# Altium PCB BLDC_DRIVER.PcbDoc (part 1 of 3) (continued)
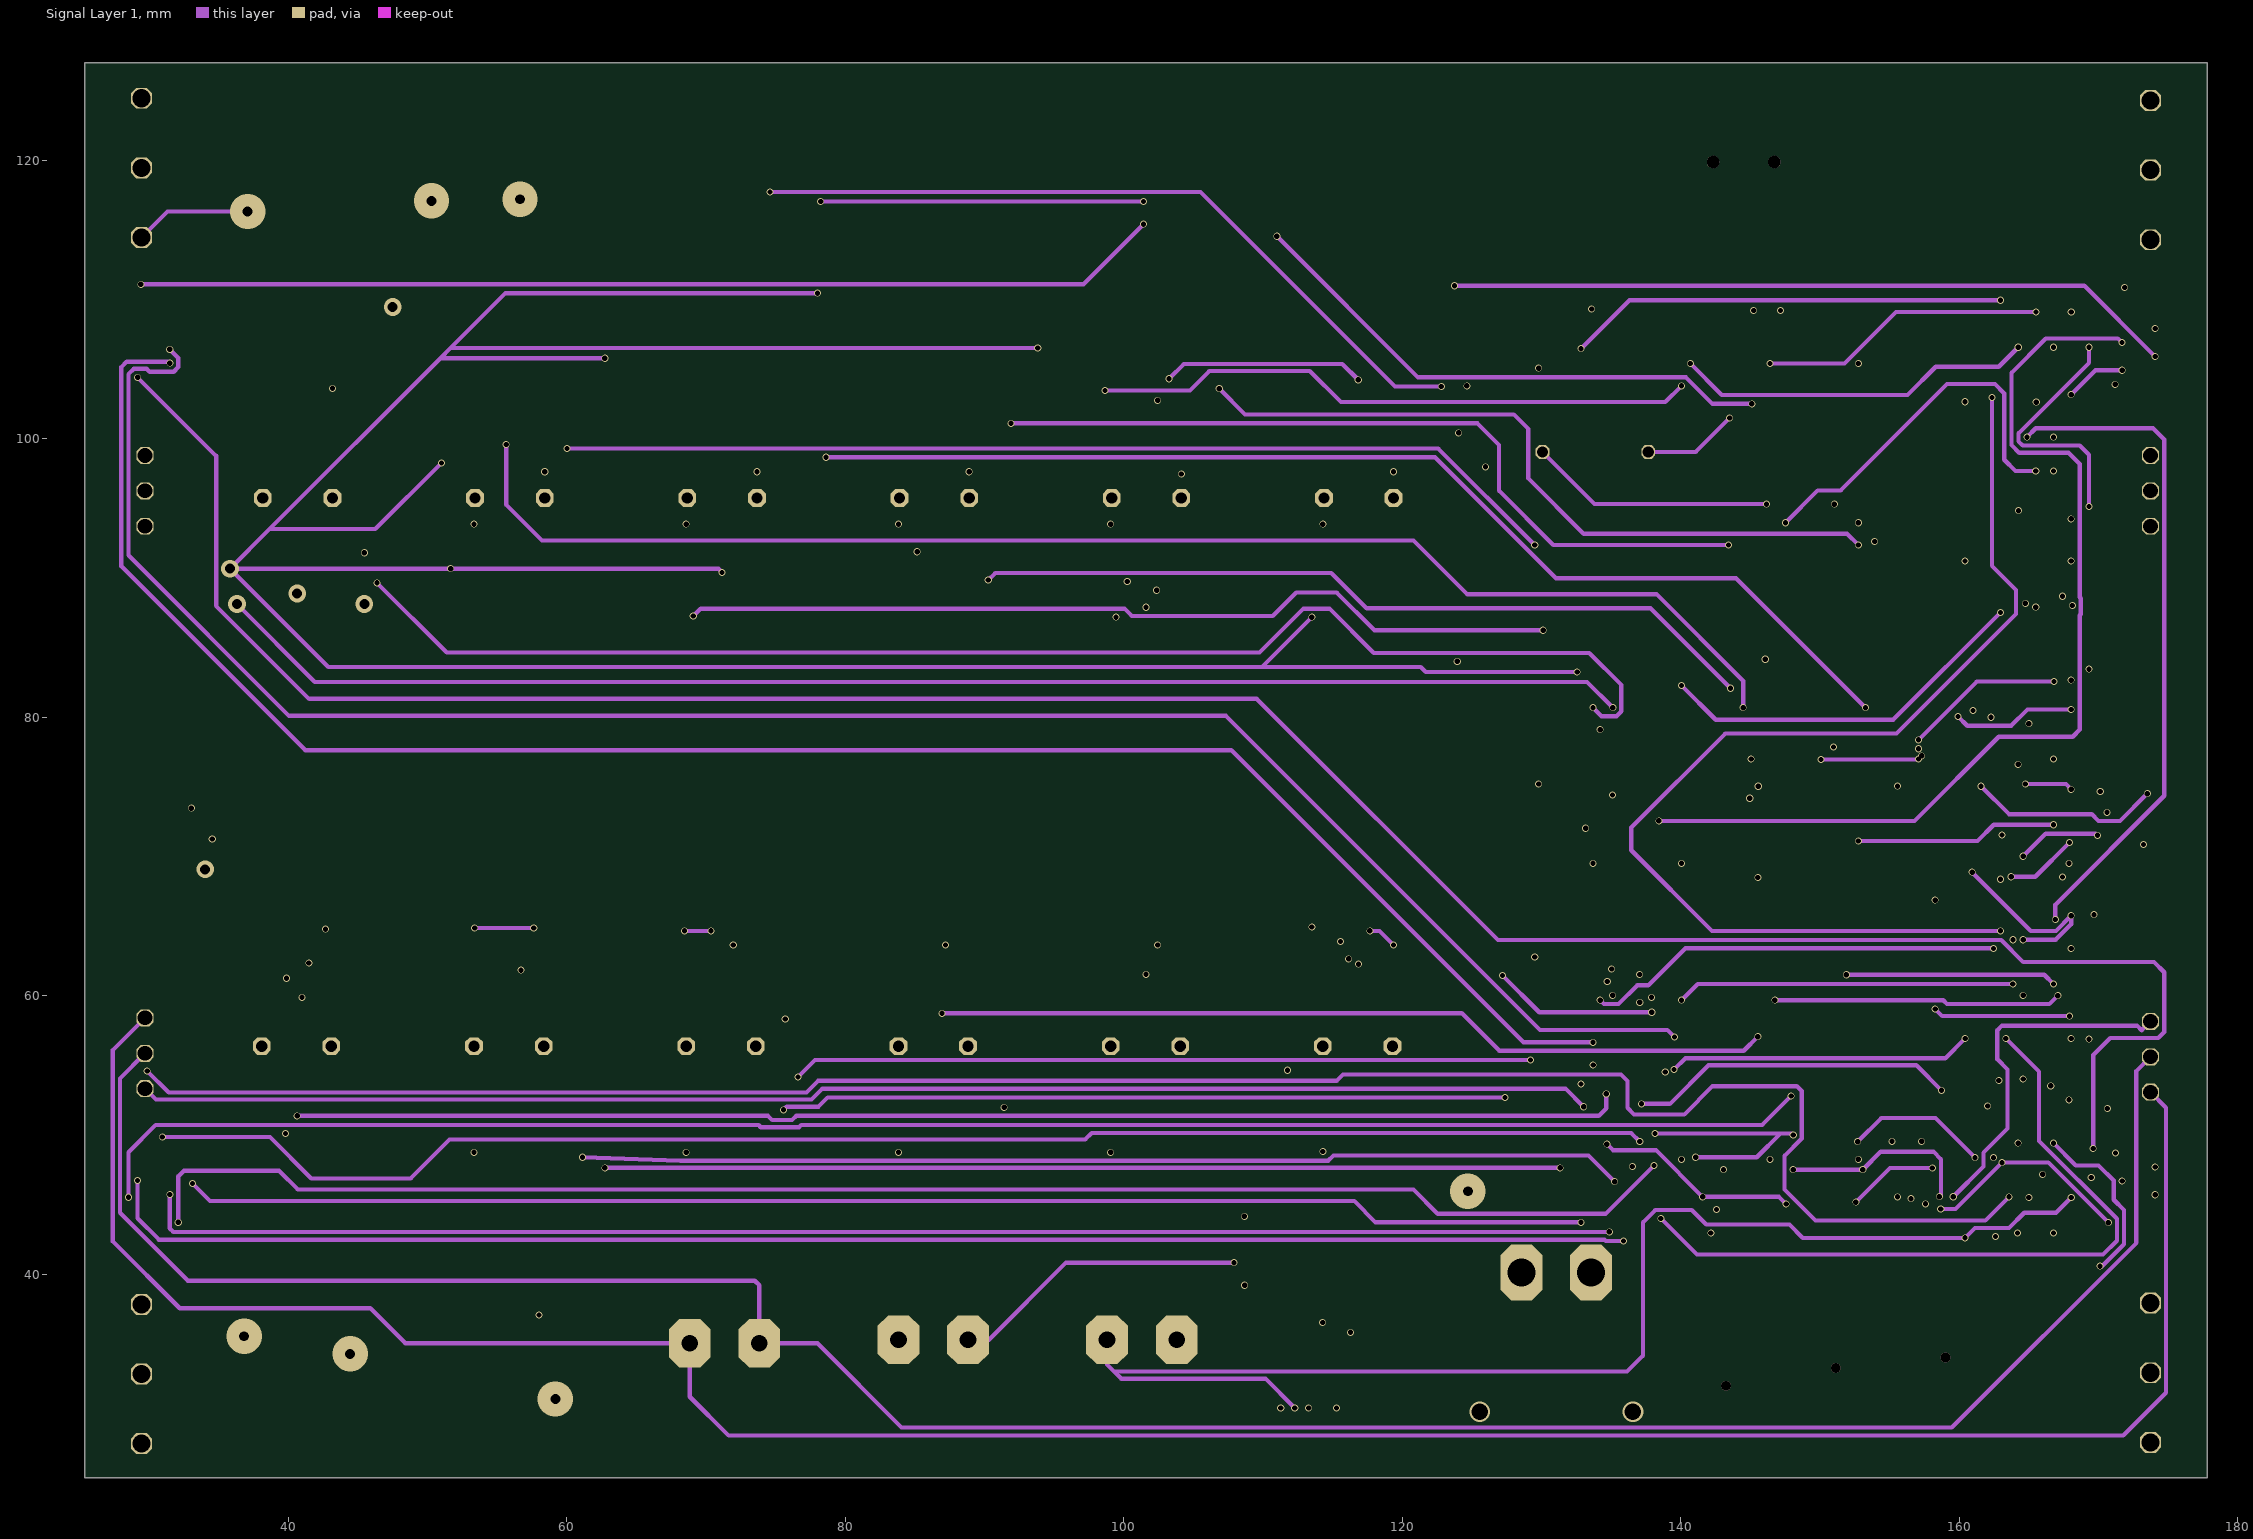
[diagram p3: Signal Layer 1]
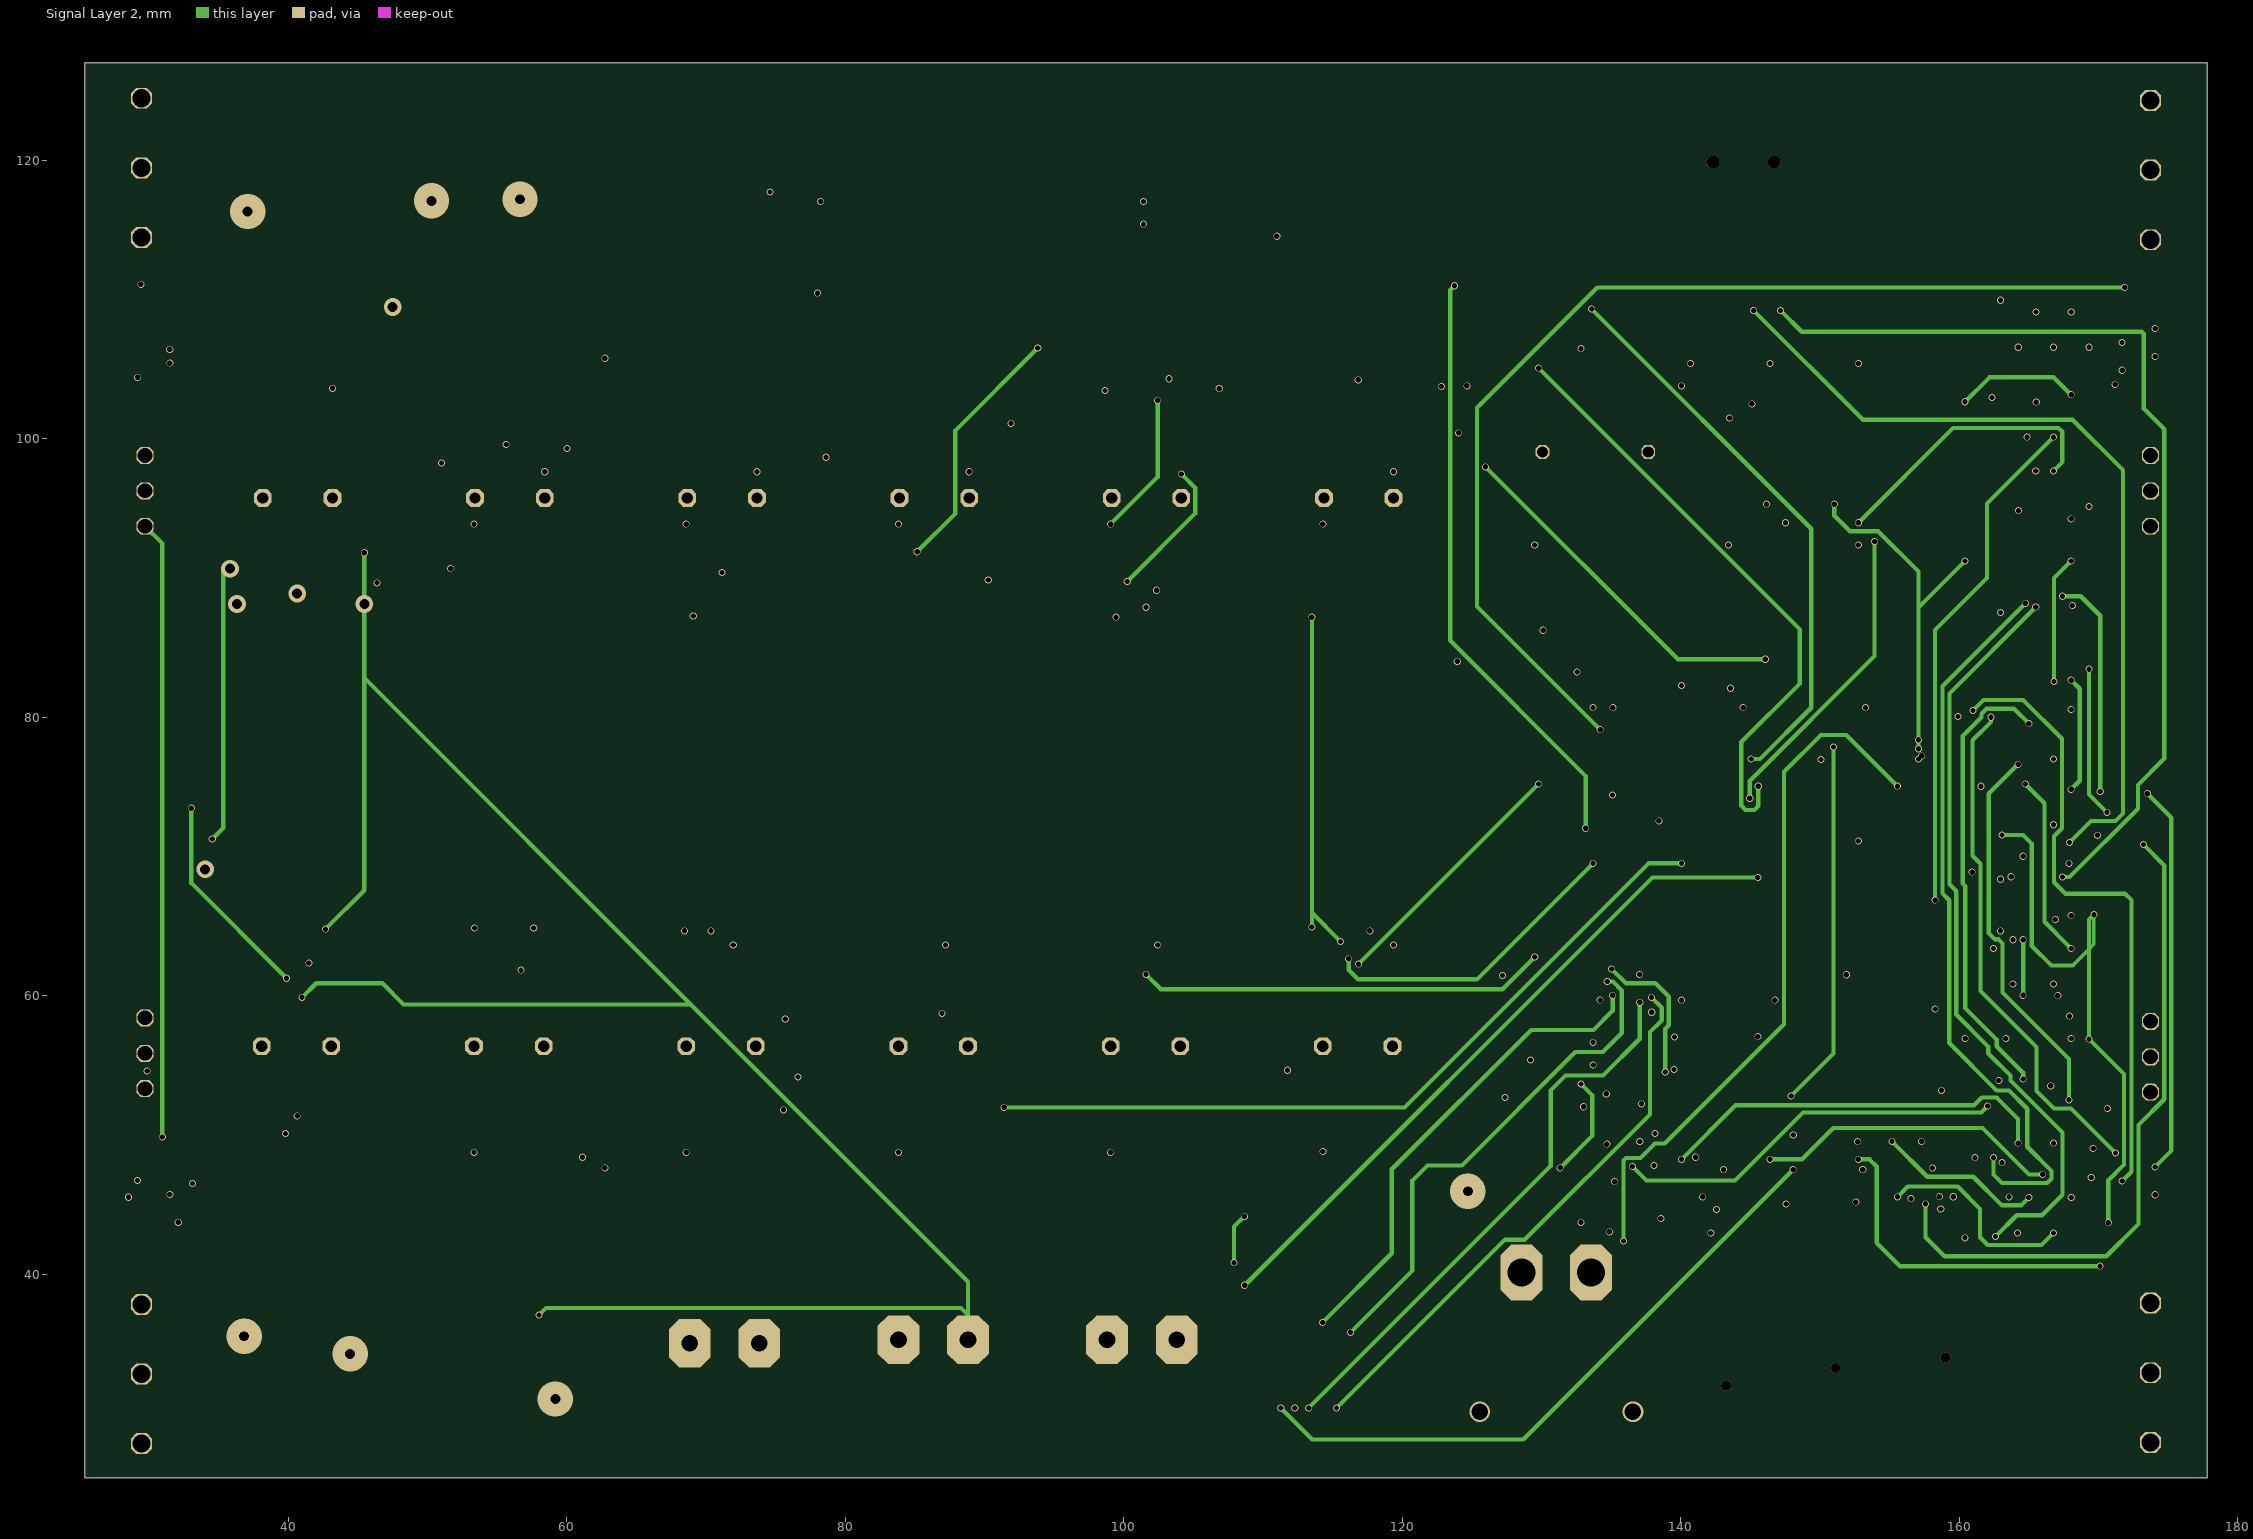
[diagram p4: Signal Layer 2]
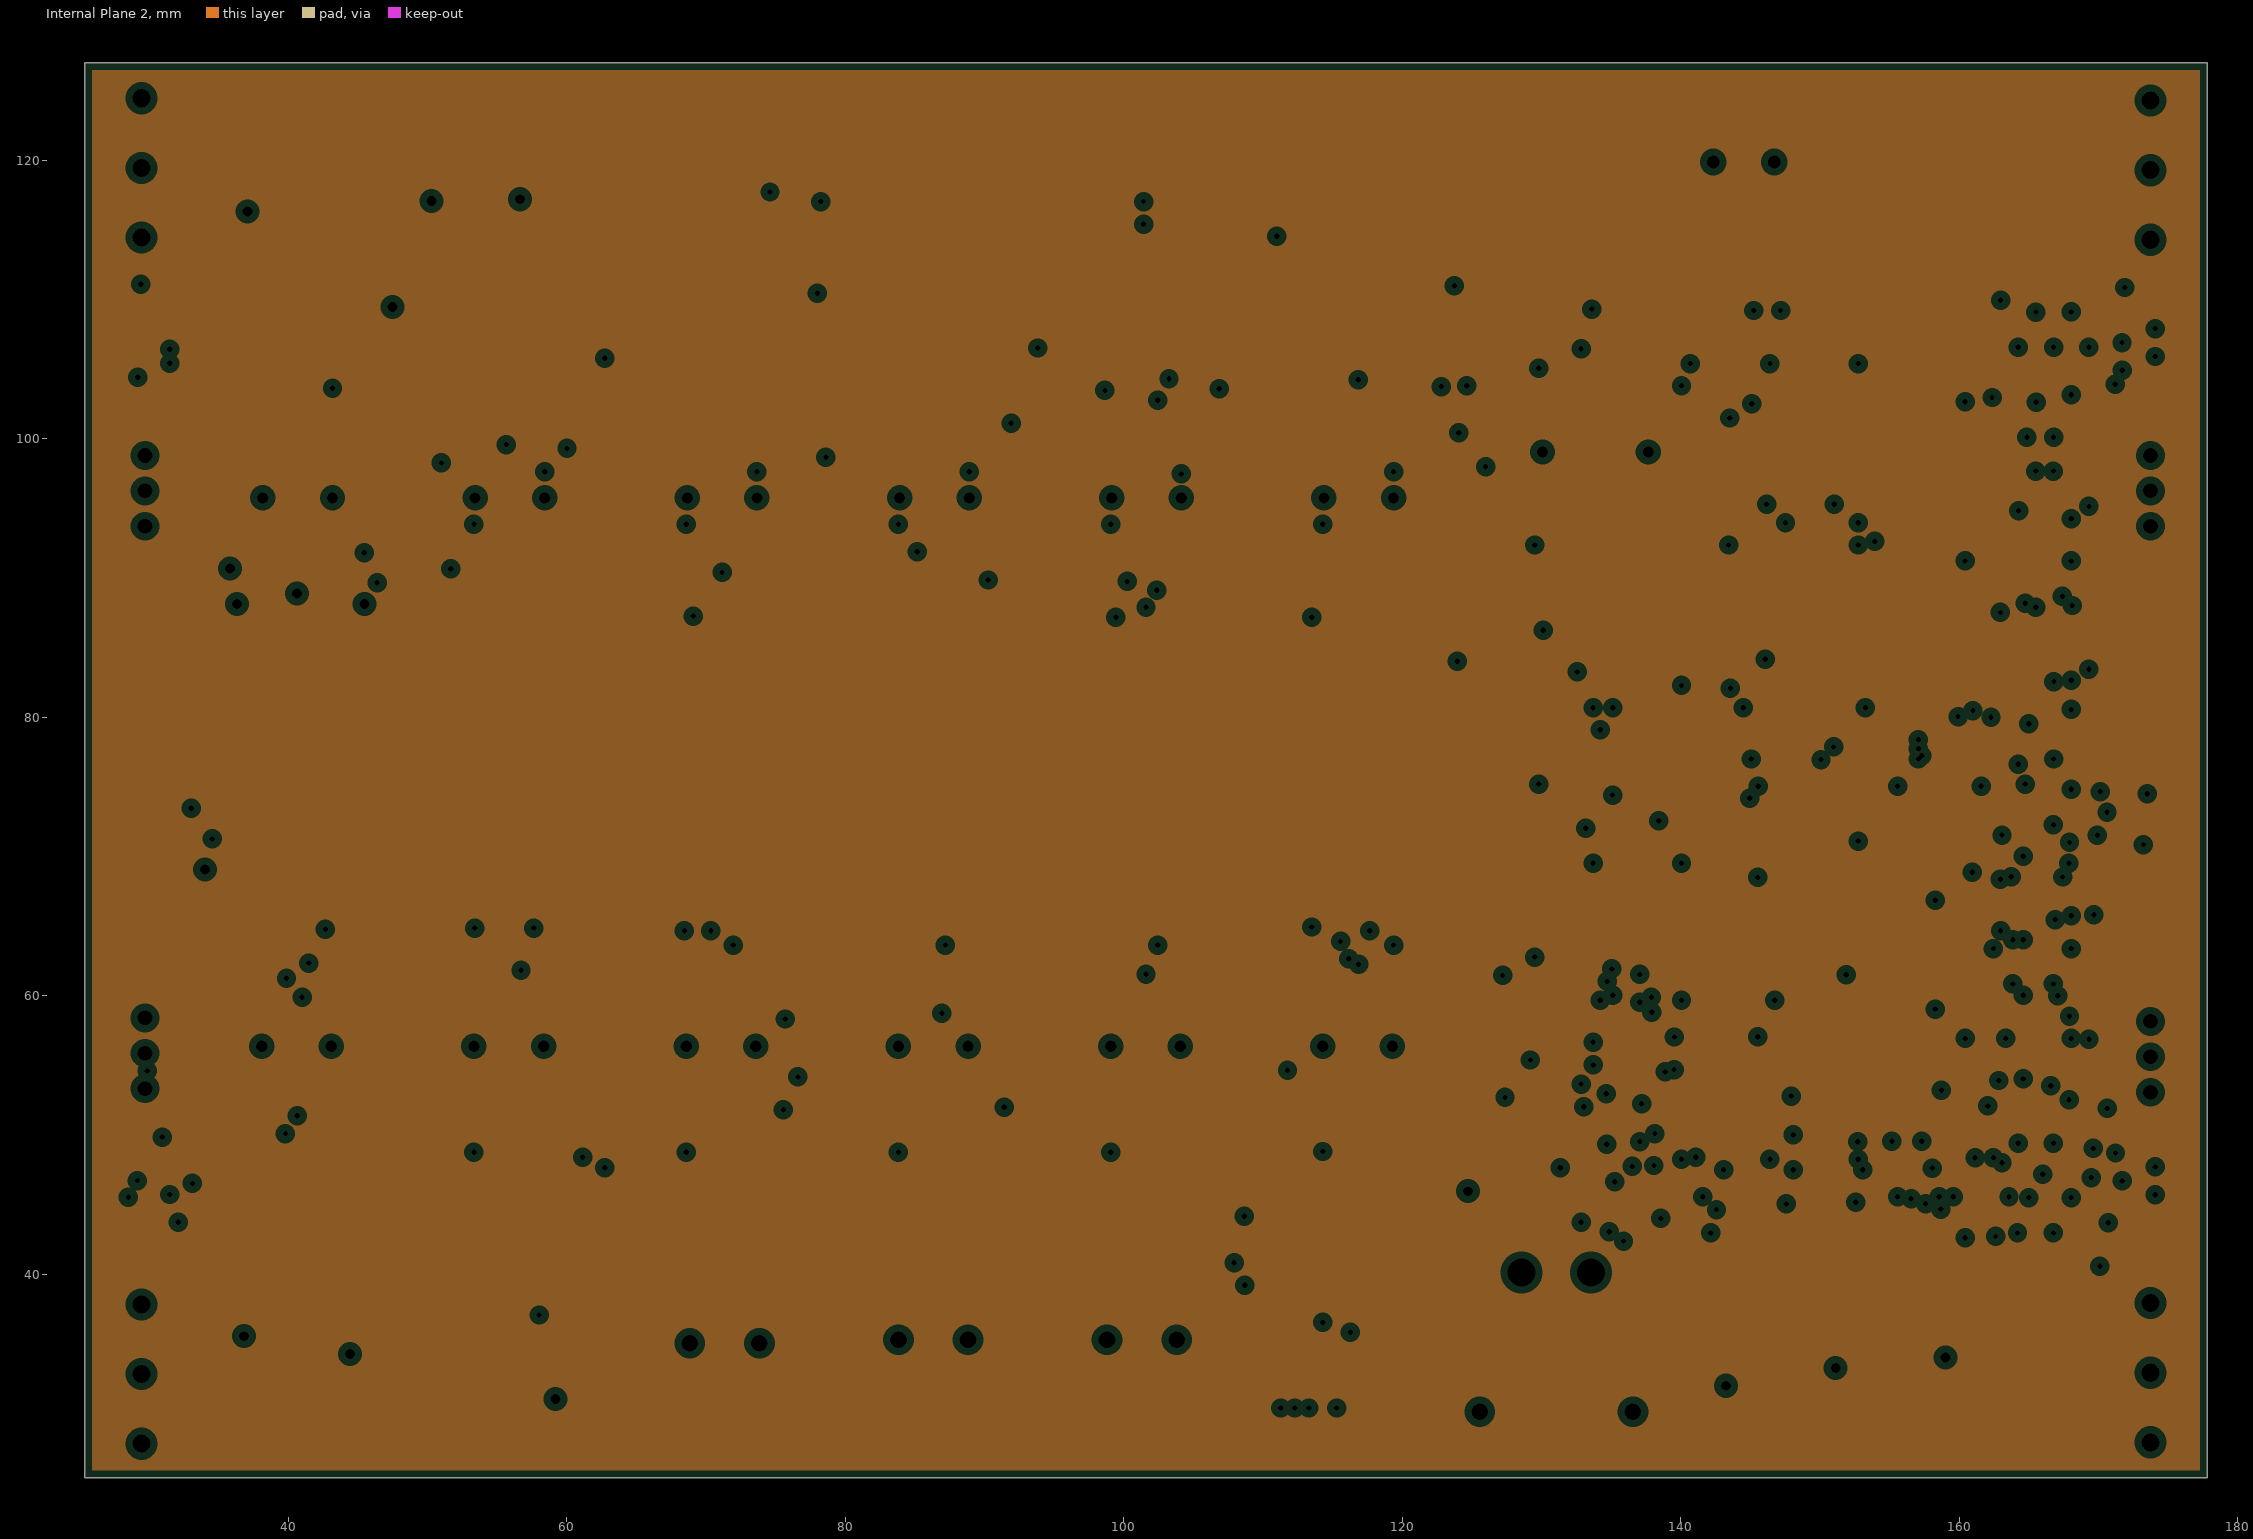
[diagram p5: Internal Plane 2, clearances drawn from the general rule]

## Layer stack, top to bottom
Top Solder: solder mask 0.0102, Solder Resist, Dk 3.5
Top Layer: signal copper 0.1041
Dielectric 1: core 0.254, FR-4, Dk 4.2
Internal Plane 1: plane copper 0.036
Dielectric 3: prepreg 0.127, Dk 4.2
Signal Layer 1: signal copper 0.036
Dielectric 2: core 0.254, Dk 4.2
Signal Layer 2: signal copper 0.036
Dielectric 5: prepreg 0.127, Dk 4.2
Internal Plane 2: plane copper 0.036
Dielectric 4: core 0.254, Dk 4.2
Bottom Layer: signal copper 0.0356
Bottom Solder: solder mask 0.0102, Solder Resist, Dk 3.5

## Board outline
25.4,25.4 177.8,25.4 177.8,127 25.4,127

## Design rules (kind name [scope] priority, off if disabled: settings)
Clearance [All] p1: gap=0.203
PlaneClearance [All] p1: clearance=0.508
PlaneConnect [All] p1: planeconnectstyle=Relief reliefexpansion=0.508 reliefentries=4 reliefconductorwidth=0.254 reliefairgap=0.254
PolygonConnect [All] p1: connectstyle=Relief reliefconductorwidth=0.254 reliefentries=4 polygonreliefangle="90 Angle" airgapwidth=0.254
RoutingVias [All] p1: holewidth=0.381 width=0.508 viastyle="Through Hole" minholewidth=0.381 minwidth=0.508 maxholewidth=0.711 maxwidth=1.27
SolderMaskExpansion [All] p1: expansion=0.102
Width [All] p1: maxlimit=2.54 minlimit=0.254 preferedwidth=0.508 toplayer_prefwidth=0.254 midlayer1_maxwidth=1.27 midlayer1_prefwidth=0.305 midlayer2_maxwidth=1.27 midlayer2_prefwidth=0.305 minimp=50.000000 maximp=50.000000 favimp=50.000000
28 further rules are at their usual default settings.

## Components (designator, comment, footprint, x,y, rotation, side; value= is the part's Value field where it differs from the comment)
3V3_Supply "2-pin" 2-pin-zielony-kat 98.806,35.306 r0 top
5V_Supply "2-pin" 2-pin-zielony-kat 83.82,35.306 r0 top
ANYFC_F7 "SPI" "JST SR SH 1.0" 109.982,27.686 r0 top
B "LED" 0603 133.604,122.682 r90 top
Back_Left "3_phase_engine_con" DG300-5.0-03P-12-00A 173.736,27.94 r90 top
Back_Left_? "Servo_con" Raster_2.54_corner_3pin 173.736,53.086 r90 top
Back_Left_Encoder "SPI" "JST SR SH 1.0" 176.784,42.418 r90 top
Back_Right "3_phase_engine_con" DG300-5.0-03P-12-00A 173.736,114.3 r90 top
Back_Right_? "Servo_con" Raster_2.54_corner_3pin 173.736,93.726 r90 top
Back_Right_Encoder "SPI" "JST SR SH 1.0" 176.784,102.616 r90 top
BOOT "Tact_Switch" "LSH Gullwing" 77.724,124.968 r180 top
Buzzer "LD-BZEG-1205/3" Buzzer_LOUDITY 137.668,99.06 r0 top
C2u2 "Cap" 0603 166.624,84.836 r90 top
C2u2-ESRmax2 "Cap" 0603 170.18,70.612 r0 top
C10n_1 "Cap" 0603 148.082,85.09 r90 top
C10n_2 "Cap" 0603 151.473,85.142 r90 top
C10u "Cap" 0603 158.171,84.872 r90 top
C100n_1 "Cap" 0603 124.875,85.142 r90 top
C100n_2 "Cap" 0603 129.032,85.09 r90 top
C100n_3 "Cap" 0603 133.35,85.09 r90 top
C100n_4 "Cap" 0603 137.414,85.09 r90 top
C100n_5 "Cap" 0603 141.224,85.09 r90 top
C100n_BOOT "Cap" 0603 80.264,114.554 r180 top
C100n_IN "Cap" 0603 66.04,114.554 r180 top
C100n_RST "Cap" 0603 94.488,114.554 r180 top
C_BL_U "Cap_pol" 5mm 83.82,56.388 r0 top
C_BL_V "Cap_pol" 5mm 99.06,56.388 r0 top
C_BL_W "Cap_pol" 5mm 114.3,56.388 r0 top
C_BR_U "Cap_pol" 5mm 88.9,95.758 r180 top
C_BR_V "Cap_pol" 5mm 104.14,95.758 r180 top
C_BR_W "Cap_pol" 5mm 119.38,95.758 r180 top
C_FL_U "Cap_pol" 5mm 38.1,56.388 r0 top
C_FL_V "Cap_pol" 5mm 53.34,56.388 r0 top
C_FL_W "Cap_pol" 5mm 68.58,56.388 r0 top
C_FR_U "Cap_pol" 5mm 43.18,95.758 r180 top
C_FR_V "Cap_pol" 5mm 58.42,95.758 r180 top
C_FR_W "Cap_pol" 5mm 73.66,95.758 r180 top
DT_BL_U_H "Dual_transistors" SOT457 86.36,68.58 r180 top
DT_BL_U_L "Dual_transistors" SOT457 86.36,42.418 r180 top
DT_BL_V_H "Dual_transistors" SOT457 101.6,68.58 r180 top
DT_BL_V_L "Dual_transistors" SOT457 101.6,42.418 r180 top
DT_BL_W_H "Dual_transistors" SOT457 116.84,68.58 r180 top
DT_BL_W_L "Dual_transistors" SOT457 116.84,42.418 r180 top
DT_BR_U_H "Dual_transistors" SOT457 86.36,106.68 r180 top
DT_BR_U_L "Dual_transistors" SOT457 86.36,80.518 r180 top
DT_BR_V_H "Dual_transistors" SOT457 101.6,106.68 r180 top
DT_BR_V_L "Dual_transistors" SOT457 101.6,81.534 r180 top
DT_BR_W_H "Dual_transistors" SOT457 116.84,106.426 r180 top
DT_BR_W_L "Dual_transistors" SOT457 117.094,81.026 r180 top
DT_FL_U_H "Dual_transistors" SOT457 40.64,68.58 r180 top
DT_FL_U_L "Dual_transistors" SOT457 40.64,42.926 r180 top
DT_FL_V_H "Dual_transistors" SOT457 55.88,68.58 r180 top
DT_FL_V_L "Dual_transistors" SOT457 55.88,42.926 r180 top
DT_FL_W_H "Dual_transistors" SOT457 71.12,68.58 r180 top
DT_FL_W_L "Dual_transistors" SOT457 71.12,42.418 r180 top
DT_FR_U_H "Dual_transistors" SOT457 40.64,80.518 r180 top
DT_FR_U_L "Dual_transistors" SOT457 40.64,106.68 r180 top
DT_FR_V_H "Dual_transistors" SOT457 55.88,106.68 r180 top
DT_FR_V_L "Dual_transistors" SOT457 55.88,80.518 r180 top
DT_FR_W_H "Dual_transistors" SOT457 71.374,106.68 r180 top
DT_FR_W_L "Dual_transistors" SOT457 71.12,80.518 r180 top
Front_Left "3_phase_engine_con" DG300-5.0-03P-12-00A 29.464,37.846 r270 top
Front_Left_? "Servo_con" Raster_2.54_corner_3pin 29.718,58.42 r270 top
Front_Left_Encoder "SPI" "JST SR SH 1.0" 26.416,50.038 r270 top
Front_Right "3_phase_engine_con" DG300-5.0-03P-12-00A 29.464,124.46 r270 top
Front_Right_? "Servo_con" Raster_2.54_corner_3pin 29.718,98.806 r270 top
Front_Right_Encoder "SPI" "JST SR SH 1.0" 26.416,109.728 r270 top
G "LED" 0603 129.794,122.682 r90 top
INPUT "Tact_Switch" "LSH Gullwing" 63.5,124.968 r180 top
J? "65100516121" 65100516121 144.526,121.158 r180 top
MOSFET_BL_U_H "IFR1018EPbF" TO-263 83.82,60.96 r180 bottom
MOSFET_BL_U_L "IFR1018EPbF" TO-263 88.9,51.816 r0 bottom
MOSFET_BL_V_H "IFR1018EPbF" TO-263 99.06,60.96 r180 bottom
MOSFET_BL_V_L "IFR1018EPbF" TO-263 104.14,51.816 r0 bottom
MOSFET_BL_W_H "IFR1018EPbF" TO-263 114.3,60.96 r180 bottom
MOSFET_BL_W_L "IFR1018EPbF" TO-263 119.38,51.816 r0 bottom
MOSFET_BR_U_H "IFR1018EPbF" TO-263 88.9,91.186 r0 bottom
MOSFET_BR_U_L "IFR1018EPbF" TO-263 83.82,100.33 r180 bottom
MOSFET_BR_V_H "IFR1018EPbF" TO-263 104.14,91.186 r0 bottom
MOSFET_BR_V_L "IFR1018EPbF" TO-263 99.06,100.33 r180 bottom
MOSFET_BR_W_H "IFR1018EPbF" TO-263 119.38,91.186 r0 bottom
MOSFET_BR_W_L "IFR1018EPbF" TO-263 114.3,100.33 r180 bottom
MOSFET_FL_U_H "IFR1018EPbF" TO-263 38.1,60.96 r180 bottom
MOSFET_FL_U_L "IFR1018EPbF" TO-263 43.18,51.816 r0 bottom
MOSFET_FL_V_H "IFR1018EPbF" TO-263 53.34,60.96 r180 bottom
MOSFET_FL_V_L "IFR1018EPbF" TO-263 58.42,51.816 r0 bottom
MOSFET_FL_W_H "IFR1018EPbF" TO-263 68.58,60.96 r180 bottom
MOSFET_FL_W_L "IFR1018EPbF" TO-263 73.66,51.816 r0 bottom
MOSFET_FR_U_H "IFR1018EPbF" TO-263 43.18,91.186 r0 bottom
MOSFET_FR_U_L "IFR1018EPbF" TO-263 38.1,100.33 r180 bottom
MOSFET_FR_V_H "IFR1018EPbF" TO-263 58.42,91.186 r0 bottom
MOSFET_FR_V_L "IFR1018EPbF" TO-263 53.34,100.33 r180 bottom
MOSFET_FR_W_H "IFR1018EPbF" TO-263 73.66,91.186 r0 bottom
MOSFET_FR_W_L "IFR1018EPbF" TO-263 68.58,100.33 r180 bottom
MOTOR_Supply "2-pin" XT30-katowy-in 131.064,40.132 r180 top
Oscilator_? "CSTCC8M00G53-R0" CSTCC8M00G53-R0 129.794,61.468 r270 top
R "LED" 0603 125.984,122.682 r90 top
R10k_BOOT "Res" R0603 85.598,114.554 r0 top
R10k_IN "Res" R0603 71.374,114.554 r0 top
R10k_RST "Res" R0603 99.822,114.554 r0 top
R22_D+ "Res" R0603 143.256,109.22 r90 top
R22_D- "Res" R0603 146.304,109.22 r90 top
R180_LED_B "Res" R0603 133.604,115.824 r90 top
R180_LED_G "Res" R0603 129.794,115.824 r90 top
R180_LED_R "Res" R0603 125.984,115.824 r90 top
R_BL_U_H "Res" R0603 85.598,65.532 r0 top
R_BL_U_L "Res" R0603 87.122,48.768 r180 top
R_BL_V_H "Res" R0603 100.838,65.532 r0 top
R_BL_V_L "Res" R0603 102.362,48.768 r180 top
R_BL_W_H "Res" R0603 116.078,65.532 r0 top
R_BL_W_L "Res" R0603 117.602,48.826 r180 top
R_BR_U_H "Res" R0603 85.598,103.632 r0 top
R_BR_U_L "Res" R0603 87.122,86.868 r180 top
R_BR_V_H "Res" R0603 100.838,103.632 r0 top
R_BR_V_L "Res" R0603 102.362,86.868 r180 top
R_BR_W_H "Res" R0603 116.078,103.378 r0 top
R_BR_W_L "Res" R0603 117.602,86.868 r180 top
R_Buzzer "Res" R0603 143.51,103.378 r0 top
R_DT_BL_U_H "Res" R0603 145.542,59.69 r270 bottom
R_DT_BL_U_L "Res" R0603 139.192,71.12 r270 bottom
R_DT_BL_V_H "Res" R0603 151.892,59.69 r270 bottom